# Altium PCB BaseBoard.PcbDoc (part 1 of 3) (continued)
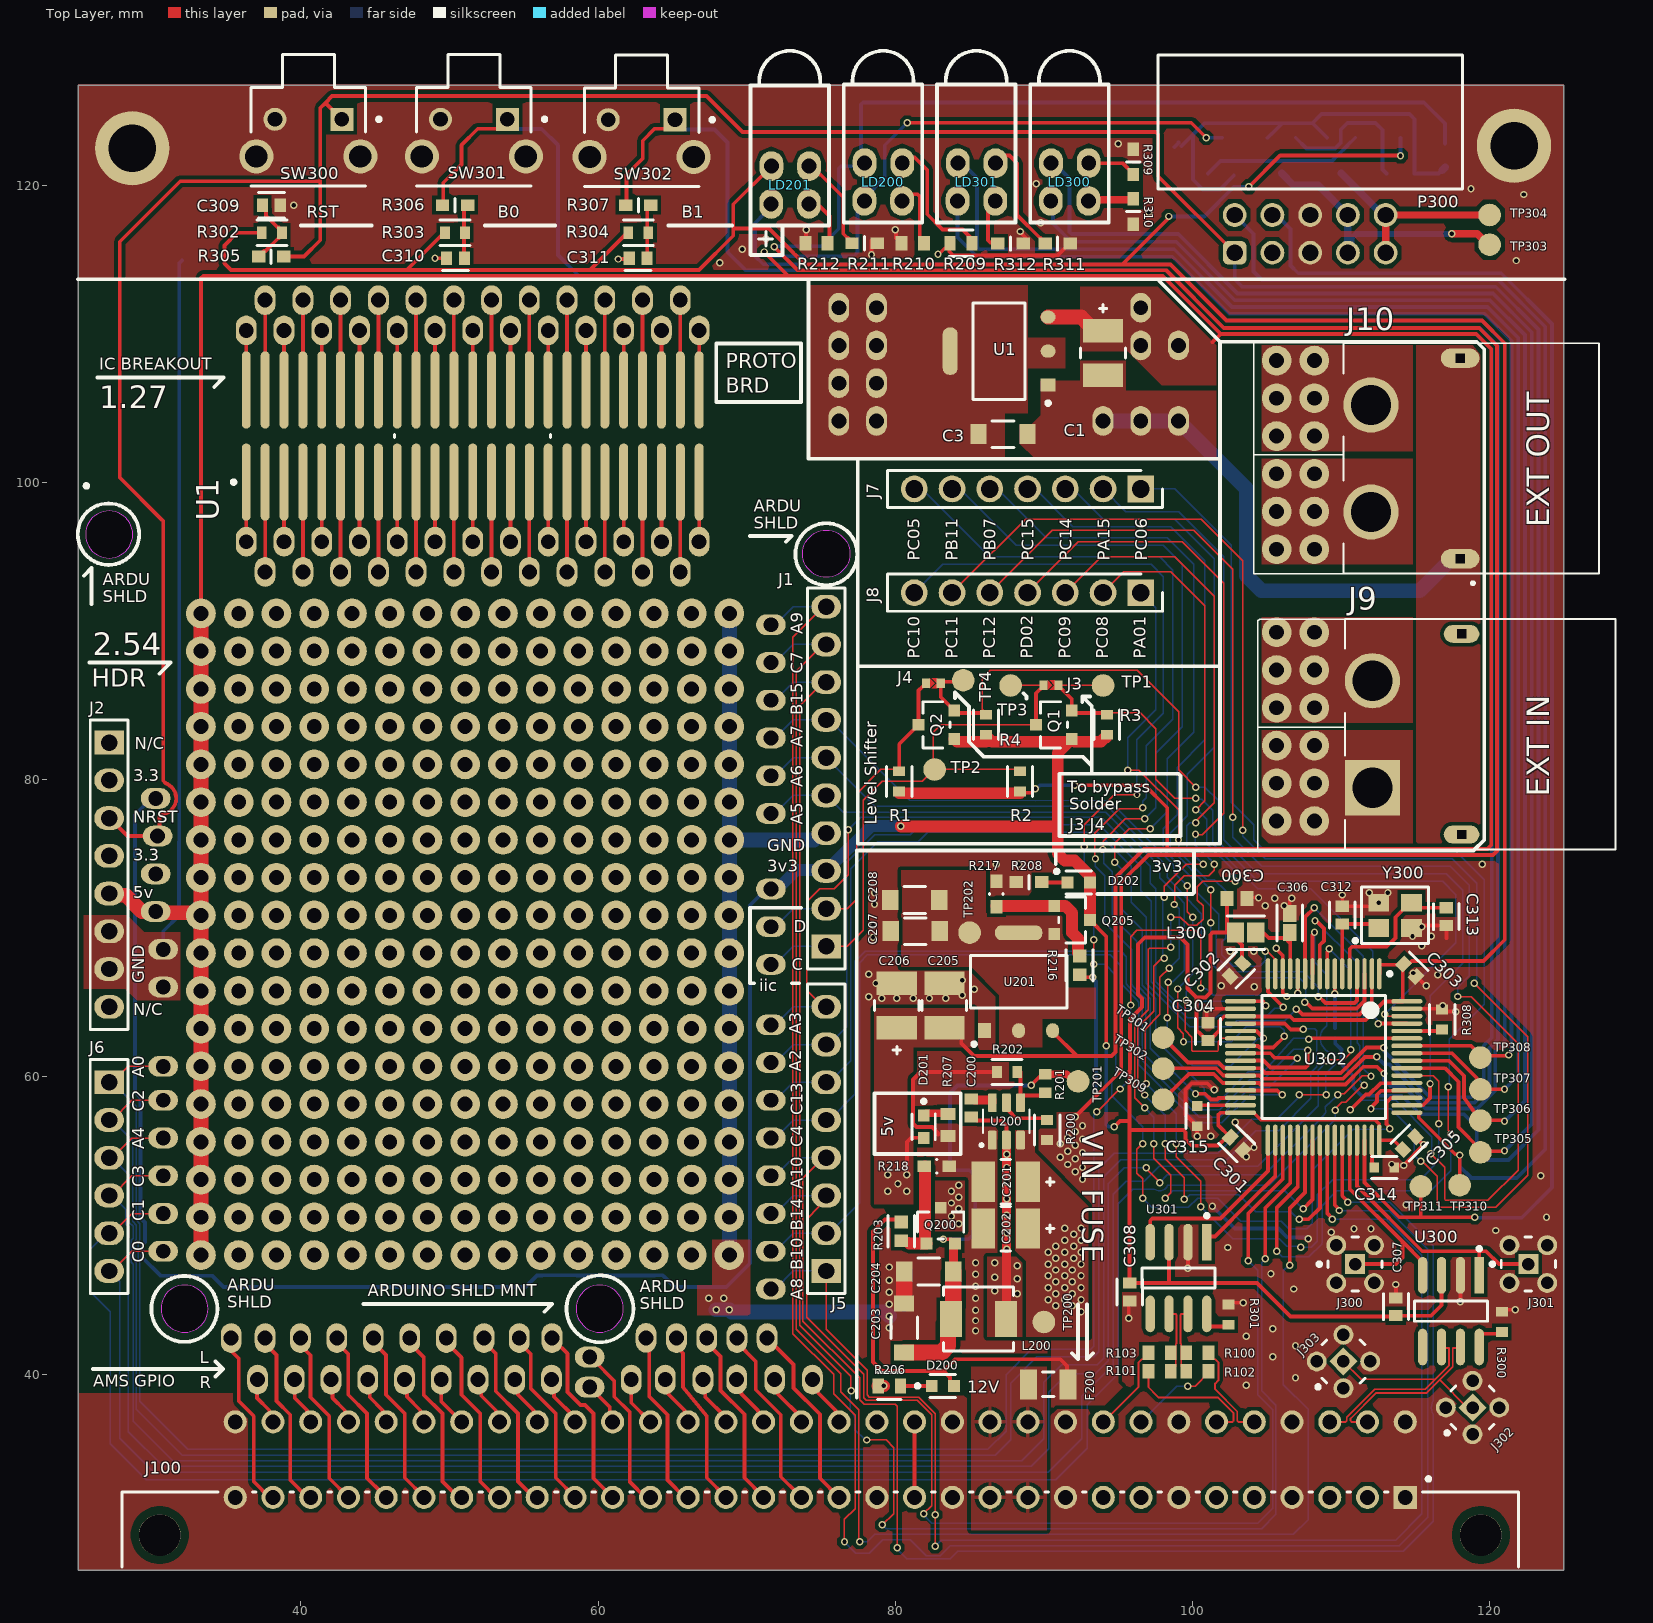
[diagram p0: Top Layer view]
## Components (designator, comment, footprint, x,y, rotation, side; value= is the part's Value field where it differs from the comment) (continued)
TP300 "TestPoint" TestPoint 109.605,62.593 r270 bottom
TP301 "TestPoint" TestPoint 98.026,62.636 r270 top
TP302 "TestPoint" TestPoint 98.026,60.551 r180 top
TP303 "TestPoint" TestPoint 120,116 r90 top
TP304 "TestPoint" TestPoint 120,118 r90 top
TP305 "TestPoint" TestPoint 119.372,54.921 r270 top
TP306 "TestPoint" TestPoint 119.372,57.052 r270 top
TP307 "TestPoint" TestPoint 119.372,59.153 r270 top
TP308 "TestPoint" TestPoint 119.372,61.295 r270 top
TP309 "TestPoint" TestPoint 98.026,58.465 r270 top
TP310 "TestPoint" TestPoint 117.983,52.705 r90 top
TP311 "TestPoint" TestPoint 115.367,52.629 r90 top
U1 "Prototype area" SOP127P1030X265-50N 51.562,103.124 r90 top locked
U1 "AMS1117-3.3" FP-AMS1117-IPC_C 86.988,108.839 r180 top
U200 "TPS563201DDCT" SOT95P280X110-6N 87.477,57.001 r90 top
U201 "AMS1117-3.3" FP-AMS1117-IPC_C 88.3,66.4 r90 top
U300 "SN65HVD230DR" FP-D0008A-IPC_A 117.395,44.23 r270 top
U301 "SN65HVD230DR" FP-D0008A-IPC_A 99.06,46.457 r270 top
U302 "STM32F405RGT6" STM-LQFP64_M 108.827,61.334 r270 top
Y300 "8MHz" FP-7M-MFG 113.631,70.869 r0 top

## Footprints (in the part's own frame and the unit in brackets; to place one, negate y for a bottom-side part, rotate by r counter-clockwise, add the part's x,y. Pads: shape width x height; smd on the part's side, far side on the other; paste and mask are expansions set on the pad)
61201021721 [mm] "10 pins, right angled, gold plating"
  rrect50% 1.6x1.6 hole 1.1: 1(5.08,8.805)
  round 1.6 hole 1.1: 2(5.08,6.265) 3(2.54,8.805) 4(2.54,6.265) 5(0,8.805) 6(0,6.265) 7(-2.54,8.805) 8(-2.54,6.265) 9(-5.08,8.805) 10(-5.08,6.265)
  silkscreen extent -10.26,-4.5 10.26,4.5, body extent -10.18,-4.42 10.18,9.13, height 9.23
AMASS_XT60PW-F [mm]
  round 3.716 hole 2.7: 1(-3.6,0) 2(3.6,0)
  oval 1.3x2.6 hole 0.6 square: S1(-6.75,-6) S2(6.75,-6)
  silkscreen extent -8.5,-15.35 7.75,1.85, body extent -7.75,-15.35 7.75,1.85, height 8.4
AMASS_XT60PW-M [mm]
  rect 3.716x3.716 / inner round 3.716 / far side rect 3.716x3.716 hole 2.7: 1(3.6,-6)
  round 3.716 hole 2.7: 2(-3.6,-6)
  oval 1.2x2.4 hole 0.6 square: S1(6.75,0) S2(-6.75,0)
  silkscreen extent -7.75,-7.85 7.75,10.35, body extent -7.75,-7.85 7.75,10.35, height 8.4
AO-SOT-23-3L_V [mm] "SOT23, 3-Leads, Body 3.1x1.8mm, Pitch 0.95mm"
  rect 0.8x0.8 smd: 1(-1.2,0.95) 2(-1.2,-0.95) 3(1.2,0)
  silkscreen extent -1.32,-1.55 0.9,2.02, body extent -1.5,-1.55 1.5,1.55, height 1.25
CAPC1608X87X35NL15T15 [mm] "Chip Capacitor, 2-Leads, Body 1.60x0.80mm, IPC Medium Density"
  rect 0.9x1 smd: 1(-0.675,0) 2(0.675,0)
  body extent -0.87,-0.48 0.87,0.47, height 0.87
FEMALE_HEADER_10 [mm]
  rect 2x1.6 hole 1.1: 1(0,0)
  oval 2x1.6 hole 1.1: 2(0,-2.54) 3(0,-5.08) 4(0,-7.62) 5(0,-10.16) 6(0,-12.7) 7(0,-15.24) 8(0,-17.78) 9(0,-20.32) 10(0,-22.86)
  silkscreen extent -1.27,-24.13 1.27,1.52, body extent -1.25,-24.33 1.25,1.47, height 8.31
FP-7M-MFG [mm]
  rect 1.4x1.2 smd paste+0 mask+0: 1(-1.1,-0.85) 2(1.1,-0.85) 3(1.1,0.85) 4(-1.1,0.85)
  silkscreen extent -2.8,-1.9 2.25,1.9, body extent -1.9,-1.55 1.9,1.55, height 0.25
FP-09_03_164_6921-MFG [mm]
  rect 1.55x1.55 hole 1 paste-2539.97 mask+0: A1(39.37,6.14)
  round 1.55 hole 1 paste-2539.97 mask+0: A2(36.83,6.14) A3(34.29,6.14) A4(31.75,6.14) A5(29.21,6.14) A6(26.67,6.14) A7(24.13,6.14) A8(21.59,6.14) A9(19.05,6.14) A10(16.51,6.14) A11(13.97,6.14) A12(11.43,6.14) A13(8.89,6.14) A14(6.35,6.14) A15(3.81,6.14) A16(1.27,6.14) A17(-1.27,6.14) A18(-3.81,6.14) A19(-6.35,6.14) A20(-8.89,6.14) A21(-11.43,6.14) A22(-13.97,6.14) A23(-16.51,6.14) A24(-19.05,6.14) A25(-21.59,6.14) A26(-24.13,6.14) A27(-26.67,6.14) A28(-29.21,6.14) A29(-31.75,6.14) A30(-34.29,6.14) A31(-36.83,6.14) A32(-39.37,6.14) C1(39.37,11.22) C2(36.83,11.22) C3(34.29,11.22) C4(31.75,11.22) C5(29.21,11.22) C6(26.67,11.22) C7(24.13,11.22) C8(21.59,11.22) C9(19.05,11.22) C10(16.51,11.22) C11(13.97,11.22) C12(11.43,11.22) C13(8.89,11.22) C14(6.35,11.22) C15(3.81,11.22) C16(1.27,11.22) C17(-1.27,11.22) C18(-3.81,11.22) C19(-6.35,11.22) C20(-8.89,11.22) C21(-11.43,11.22) C22(-13.97,11.22) C23(-16.51,11.22) C24(-19.05,11.22) C25(-21.59,11.22) C26(-24.13,11.22) C27(-26.67,11.22) C28(-29.21,11.22) C29(-31.75,11.22) C30(-34.29,11.22) C31(-36.83,11.22) C32(-39.37,11.22)
  round 2.8 hole 2.8 unplated paste-2539.97 mask+0: ""(-44.45,3.6) ""(44.45,3.6)
  silkscreen extent -47,1.45 47,7.5, body extent -47.1,-6.6 47.1,12.09, height 0.25
FP-403AG-MFG [mm]
  rect 1.96x3.39 smd paste+0 mask+0: 1(-3.405,0) 2(3.405,0)
  silkscreen extent -3.57,-3.13 3.57,3.13, body extent -3.98,-2.95 3.98,2.95, height 2.65
FP-0466-MFG [mil]
  rect 45x80 smd paste+0 mask+0: 1(-52.5,0) 2(52.5,0)
  silkscreen extent -15,-32 15,32, body extent -79,-44 79,44, height 10
FP-73415-1472-MFG [mm]
  rect 1.34x1.34 hole 0.84 paste-2539.97 mask+0: 1(0,0)
  round 1.34 hole 0.84 paste-2539.97 mask+0: 2(-1.27,1.27) 3(1.27,1.27) 4(-1.27,-1.27) 5(1.27,-1.27)
  silkscreen extent -2.54,-1.82 1.82,1.82, body extent -2.04,-2.04 2.04,2.04, height 0.25
FP-AMS1117-IPC_C [mm]
  rect 1.004x0.872 smd paste+0 mask+0: 1(-3.295,2.29)
  rrect100% 1.004x0.872 smd paste+0 mask+0: 2(-3.295,0) 3(-3.295,-2.29)
  rrect87% 1.004x3.182 smd paste+0 mask+0: 4(3.295,0)
  silkscreen extent -3.42,-3.25 1.75,3.62, body extent -3.9,-3.35 3.9,3.35, height 0.25
FP-B3F-3122-MFG [mm]
  rect 1.55x1.55 hole 1 paste-2539.97 mask+0: 1(-2.25,-0.075)
  round 1.55 hole 1 paste-2539.97 mask+0: 2(2.25,-0.075)
  round 2.3 hole 1.5 paste-2539.97 mask+0: 3(-3.5,2.425) 4(3.5,2.425)
  silkscreen extent -4.88,-4.43 3.85,4.43, body extent -4.75,-4.52 4.75,4.52, height 0.25
FP-C0603C-CF-MFG [mm]
  rect 0.75x0.9 smd paste+0 mask+0: 1(-0.6,0) 2(0.6,0)
  body extent -1.2,-0.6 1.2,0.6, height 0.25
FP-C1608-080-0_1-IPC_B [mm]
  rect 1.131x0.912 smd paste+0 mask+0: 1(-0.641,0) 2(0.641,0)
  silkscreen extent -1.21,-0.86 1.21,0.86, body extent -1.46,-0.71 1.46,0.71, height 0.25
FP-C3216-085-0_2-MFG [mm]
  rect 1.1x1.35 smd paste+0 mask+0: 1(-1.65,0) 2(1.65,0)
  silkscreen extent -0.72,-0.9 0.72,0.9, body extent -2.3,-1 2.3,1, height 0.25
FP-CRCW0603-e3-MFG [mm]
  rect 0.75x1 smd paste+0 mask+0: 1(-0.75,0) 2(0.75,0)
  silkscreen extent -0.8,-0.9 0.8,0.9, body extent -1.22,-0.6 1.22,0.6, height 0.25
FP-D0008A-IPC_A [mm]
  rect 2.469x0.622 smd paste+0 mask+0: 1(-2.414,1.905)
  rrect100% 2.469x0.622 smd paste+0 mask+0: 2(-2.414,0.635) 3(-2.414,-0.635) 4(-2.414,-1.905) 5(2.414,-1.905) 6(2.414,-0.635) 7(2.414,0.635) 8(2.414,1.905)
  silkscreen extent -4.32,-2.45 0.68,2.45, body extent -4.15,-2.95 4.15,2.95, height 0.25
FP-ERA3A-IPC_C [mm]
  rect 0.855x0.906 smd paste+0 mask+0: 1(-0.626,0) 2(0.626,0)
  silkscreen extent -1.05,-0.9 1.05,0.9, body extent -1.15,-0.6 1.15,0.6, height 0.25
FP-GRM188-0_1-e0_2_0_5-MFG [mm]
  rect 0.65x0.7 smd paste+0 mask+0: 1(-0.675,0) 2(0.675,0)
  silkscreen extent -0.85,-0.75 0.85,0.75, body extent -1.1,-0.55 1.1,0.55, height 0.25
FP-HSME-C191-MFG [mm]
  rect 0.8x0.8 smd paste+0 mask+0: 1(-0.75,0) 2(0.75,0)
  silkscreen extent -1.82,-0.77 0.85,0.77, body extent -1.25,-0.55 1.25,0.55, height 0.25
FP-LQM21DH_70-IPC_C [mm]
  rect 1.154x1.356 smd paste+0 mask+0: 1(-0.676,0) 2(0.676,0)
  silkscreen extent -1.25,-1.12 1.25,1.12, body extent -1.35,-0.82 1.35,0.82, height 0.25
FP-POSCAP-B2-MFG [mm]
  rect 1.6x2.7 smd paste+0 mask+0: 1(-1.5,0) 2(1.5,0)
  silkscreen extent -0.33,-1.5 3.25,1.5, body extent -2.4,-1.6 2.4,1.6, height 0.25
FP-RC0603-0_55-IPC_C [mm]
  rect 0.659x0.812 smd paste+0 mask+0: 1(-0.677,0) 2(0.677,0)
  silkscreen extent -1.01,-0.85 1.01,0.85, body extent -1.11,-0.55 1.11,0.55, height 0.25
FP-RC0603-0_55-MFG [mm]
  rect 0.9x0.8 smd paste+0 mask+0: 1(-0.85,0) 2(0.85,0)
  silkscreen extent -0.03,-0.45 0.03,0.45, body extent -0.8,-0.4 0.8,0.4, height 0.55
FP-SOT23-MFG [mm]
  rect 0.8x0.8 smd paste+0 mask+0: 1(-1.2,0.95) 2(-1.2,-0.95) 3(1.2,0)
  silkscreen extent -0.9,-1.55 0.9,1.55, body extent -1.7,-1.78 1.7,1.78, height 0.25
FP-SRP4020TA-MFG [mm]
  rect 1.5x2.4 smd paste+0 mask+0: 1(-1.85,0) 2(1.85,0)
  silkscreen extent -2.35,-2.15 2.35,2.15, body extent -2.7,-2.25 2.7,2.25, height 0.25
"HDR FEMALE 1~6 2.54MM" [mm]
  rect 2x1.6 hole 1.1: 1(0,0)
  oval 2x1.6 hole 1.1: 2(0,-2.54) 3(0,-5.08) 4(0,-7.62) 5(0,-10.16) 6(0,-12.7)
  silkscreen extent -1.27,-14.22 1.27,1.52, body extent -1.23,-14.22 1.27,1.42, height 8.66
"HDR FEMALE 1~8 2.54MM" [mm]
  rect 2x1.6 hole 1.1: 1(0,0)
  oval 2x1.6 hole 1.1: 2(0,-2.54) 3(0,-5.08) 4(0,-7.62) 5(0,-10.16) 6(0,-12.7) 7(0,-15.24) 8(0,-17.78)
  silkscreen extent -1.27,-19.3 1.27,1.52, body extent -1.23,-19.25 1.27,1.47, height 8.31
JUMPER [mm]
  rect 0.65x0.55 smd paste-2.54 mask-2.54: 1(0,-0.45) 2(0,0.55)
  Top Layer region: -0.325,-0.175 0.003,0.152 0.325,-0.175
  Top Layer region: -0.325,-0.041 0,0.284 0.325,-0.041 0.325,0.318 -0.325,0.317
LED_HOLDER#1 [mm]
  oval 1.6x2 hole 1: 1(-1.219,-0.014) 2(1.317,-0.014) 3(-1.236,-2.554) 4(1.3,-2.554)
  silkscreen extent -2.62,-4 2.66,7.55, body extent -2.12,-3.07 2.2,7.66, height 9.65
LED_HOLDER#2 [mm]
  oval 1.6x2 hole 1: 1(-1.219,-0.217) 2(1.317,-0.217) 3(-1.236,-2.757) 4(1.3,-2.757)
  silkscreen extent -2.62,-4.2 2.66,7.55, body extent -2.12,-3.07 2.2,7.66, height 9.65
RESC1608X55X25ML10T15 [mm] "Chip Resistor, 2-Leads, Body 1.60x0.80mm, IPC Low Density"
  rect 0.8x1 smd: 1(-0.75,0) 2(0.75,0)
  body extent -0.85,-0.45 0.85,0.45, height 0.55
RESC1608X55X30LL15T15 [mm] "Chip Resistor, 2-Leads, Body 1.60x0.80mm, IPC High Density"
  rect 0.7x0.85 smd: 1(-0.625,0) 2(0.625,0)
  body extent -0.87,-0.48 0.87,0.48, height 0.55
RHDR7W70P0X254_1X7_1818X250X865P [mm]
  rect 1.8x1.8 / inner round 1.8 / far side rect 1.8x1.8 hole 1.2: 1(0,0)
  round 1.8 hole 1.2: 2(2.54,0) 3(5.08,0) 4(7.62,0) 5(10.16,0) 6(12.7,0) 7(15.24,0)
  silkscreen extent -1.47,-1.25 17.06,1.25
SOP127P1030X265-50N [mm] "SOP, 50-Leads, Body 10.30x1.00mm, Pitch 1.27mm, IPC Medium Density"
  oval 5.2x0.6 smd: 1(-3.1,15.24) 2(-3.1,13.97) 3(-3.1,12.7) 4(-3.1,11.43) 5(-3.1,10.16) 6(-3.1,8.89) 7(-3.1,7.62) 8(-3.1,6.35) 9(-3.1,5.08) 10(-3.1,3.81) 11(-3.1,2.54) 12(-3.1,1.27) 13(-3.1,0) 14(-3.1,-1.27) 15(-3.1,-2.54) 16(-3.1,-3.81) 17(-3.1,-5.08) 18(-3.1,-6.35) 19(-3.1,-7.62) 20(-3.1,-8.89) 21(-3.1,-10.16) 22(-3.1,-11.43) 23(-3.1,-12.7) 24(-3.1,-13.97) 25(-3.1,-15.24) 26(3.1,-15.24) 27(3.1,-13.97) 28(3.1,-12.7) 29(3.1,-11.43) 30(3.1,-10.16) 31(3.1,-8.89) 32(3.1,-7.62) 33(3.1,-6.35) 34(3.1,-5.08) 35(3.1,-3.81) 36(3.1,-2.54) 37(3.1,-1.27) 38(3.1,0) 39(3.1,1.27) 40(3.1,2.54) 41(3.1,3.81) 42(3.1,5.08) 43(3.1,6.35) 44(3.1,7.62) 45(3.1,8.89) 46(3.1,10.16) 47(3.1,11.43) 48(3.1,12.7) 49(3.1,13.97) 50(3.1,15.24)
  silkscreen extent -3.22,-5.25 0.1,16.21, body extent -0.5,-15.75 0.5,15.62, height 2.65
SOT95P280X110-6N [mm]
  rrect25% 1.25x0.59 smd: 1(-1.255,0.95) 2(-1.255,0) 3(-1.255,-0.95) 4(1.255,-0.95) 5(1.255,0) 6(1.255,0.95)
  silkscreen extent -1.7,-1.57 0.8,1.78, body extent -1.4,-1.45 1.4,1.45, height 1.1
STM-LQFP64_M [mm] "Thin QFP, 64-Leads, Body 10x10mm, Pitch 0.5mm, IPC Low Density"
  oval 2.1x0.3 smd: 1(-5.6,3.75) 2(-5.6,3.25) 3(-5.6,2.75) 4(-5.6,2.25) 5(-5.6,1.75) 6(-5.6,1.25) 7(-5.6,0.75) 8(-5.6,0.25) 9(-5.6,-0.25) 10(-5.6,-0.75) 11(-5.6,-1.25) 12(-5.6,-1.75) 13(-5.6,-2.25) 14(-5.6,-2.75) 15(-5.6,-3.25) 16(-5.6,-3.75) 33(5.6,-3.75) 34(5.6,-3.25) 35(5.6,-2.75) 36(5.6,-2.25) 37(5.6,-1.75) 38(5.6,-1.25) 39(5.6,-0.75) 40(5.6,-0.25) 41(5.6,0.25) 42(5.6,0.75) 43(5.6,1.25) 44(5.6,1.75) 45(5.6,2.25) 46(5.6,2.75) 47(5.6,3.25) 48(5.6,3.75)
  oval 0.3x2.1 smd: 17(-3.75,-5.6) 18(-3.25,-5.6) 19(-2.75,-5.6) 20(-2.25,-5.6) 21(-1.75,-5.6) 22(-1.25,-5.6) 23(-0.75,-5.6) 24(-0.25,-5.6) 25(0.25,-5.6) 26(0.75,-5.6) 27(1.25,-5.6) 28(1.75,-5.6) 29(2.25,-5.6) 30(2.75,-5.6) 31(3.25,-5.6) 32(3.75,-5.6) 49(3.75,5.6) 50(3.25,5.6) 51(2.75,5.6) 52(2.25,5.6) 53(1.75,5.6) 54(1.25,5.6) 55(0.75,5.6) 56(0.25,5.6) 57(-0.25,5.6) 58(-0.75,5.6) 59(-1.25,5.6) 60(-1.75,5.6) 61(-2.25,5.6) 62(-2.75,5.6) 63(-3.25,5.6) 64(-3.75,5.6)
  silkscreen extent -5.72,-4.15 4.15,4.58, body extent -5,-5 5,5, height 1.6
TestPoint [mil]
  round 60 smd: 1(0,0)

## Part data
C1: library part CMP-05428-001070-1, "Molded Tantalum Polymer Capacitor 10uF 20% 16V life 2000Hours SMD 1411", Capacitance=10uF, Case Code (Imperial)=1210, Case Code (Metric)=3528, Case/Package=1411, ESR (Equivalent Series Resistance)=100mR, Leakage Current=48uA, Max Operating Temperature=105°C, Min Operating Temperature=-55°C, Package Quantity=2000, Ripple Current=800mA, Tolerance=20%, Voltage=16V, Construction=Flat, Depth=2.8mm, Dissipation Factor=10%, Features="General Purpose", Height=1.9mm, Height - Seated (Max)=0.083inch, Lead Free="Lead Free", Length=3.5mm, Life (Hours)=2000Hour, Mount="Surface Mount", Number of Pins=2, Packaging="Tape and Reel", Polarity=Polar, Radiation Hardening=No, REACH SVHC="No SVHC", RoHS Compliant=Yes, Series="POSCAP™ TQC", Termination=SMD/SMT, Voltage Rating=16V, Voltage Rating (DC)=16V, Width=2.8mm
C3 C203 C204 C207 C208: library part CMP-08246-004858-1, "Multilayer Ceramic Capacitors 22μF ±20% 6.3V X5R SMD 1206", Capacitance=22uF, Case Code (Imperial)=1206, Case Code (Metric)=3216, Dielectric=X5R, Dielectric Material=Ceramic, Max Operating Temperature=85°C, Min Operating Temperature=-55°C, Package Quantity=1, Tolerance=20%, Voltage Rating=6.3V, Case/Package=1206, Depth=1.6mm, Height=0.85mm, Lead Free="Lead Free", Length=0.126inch, Mount="Surface Mount", Number of Pins=2, Packaging="Cut Tape", REACH SVHC="No SVHC", Resistor Type=Ceramic, RoHS Compliant=Yes, Series=C, Termination=SMD/SMT, Thickness=0.037inch, Voltage Rating (DC)=6.3V, Weight=0.000571oz, Width=0.063inch
C200 C301 C302 C303 C304 C305 C307 C308 C309 C310 C311: library part CMP-2006-03061-2, "CAP CER 0.1UF 50V X7R 0603", Capacitance="0.10 μF", Manufacturer=KEMET, Manufacturer Part Number=C0603C104K5RACTU, Package=C0603C-CF, Temperature="-55°C to +125°C", Temperature Characteristic=X7R, Temperature Coefficient=30ppm/°C, Temperature Range High=+125°C, Temperature Range Low=-55°C, Tolerance=0.1, Voltage Rating="50 V", Automotive=Yes, Automotive Grade="Grade 1", Category=Cap, ComponentLink2Description=Datasheet, ComponentLink2URL=https://api.kemet.com/component-edge/download/datasheet/C0603C100J5GACAUTO.pdf, Device Class L1="Passive Components", Device Class L2=Capacitors, Device Class L3="Ceramic Capacitors", Digikey Description="CAP CER 0.1UF 50V X7R 0603", Height=0.87mm, Lead Free=Yes, Material=Ceramic, Octopart=https://octopart.com/c0603c104k5ractu-kemet-139244, RoHS=TRUE
C201 C202 C205 C206: library part CMP-05428-001070-1, "Molded Tantalum Polymer Capacitor 10uF 20% 16V life 2000Hours SMD 1411", Case Code (Imperial)=1210, Case Code (Metric)=3528, Case/Package=1411, ESR (Equivalent Series Resistance)=100mR, Leakage Current=48uA, Max Operating Temperature=105°C, Min Operating Temperature=-55°C, Package Quantity=2000, Ripple Current=800mA, Tolerance=20%, Voltage=16V, Capacitance=10uF, Construction=Flat, Depth=2.8mm, Dissipation Factor=10%, Features="General Purpose", Height=1.9mm, Height - Seated (Max)=0.083inch, Lead Free="Lead Free", Length=3.5mm, Life (Hours)=2000Hour, Mount="Surface Mount", Number of Pins=2, Packaging="Tape and Reel", Polarity=Polar, Radiation Hardening=No, REACH SVHC="No SVHC", RoHS Compliant=Yes, Series="POSCAP™ TQC", Termination=SMD/SMT, Voltage Rating=16V, Voltage Rating (DC)=16V, Width=2.8mm
C300: library part CMP-2006-03238-1, Manufacturer=Kemet, Part Number=C0603C475K8PACTU
C306: library part CMP-2000-06025-2, "Multilayer Ceramic Capacitors 1μF ±10% 50V X5R SMD 0603", Case Code (Imperial)=0603, Case Code (Metric)=1608, Dielectric=X5R, Dielectric Material=Ceramic, Max Operating Temperature=85°C, Min Operating Temperature=-55°C, Package Quantity=1, Tolerance=10%, Voltage=50V, Capacitance=1uF, Case/Package=0603, Construction=Flat, Depth=0.8mm, Height=0.8mm, Lead Free="Lead Free", Length=1.6mm, Mount="Surface Mount", Number of Pins=2, Packaging="Tape and Reel", Radiation Hardening=No, REACH SVHC="No SVHC", Resistor Type=Ceramic, RoHS Compliant=Yes, Series=C, Termination=SMD/SMT, Thickness=0.035inch, Voltage Rating=50V, Voltage Rating (DC)=50V, Weight=7.1E-05oz, Width=0.031inch
C312 C313: library part CMP-1035-00783-3, "CAP CER 20PF 50V 5% NP0 0603", Capacitance="20 pF", Manufacturer=KEMET, Manufacturer Part Number=C0603C200J5GACTU, Package=C0603C-CF, Temperature="-55°C to +125°C", Temperature Characteristic=C0G, Temperature Coefficient=30ppm/°C, Temperature Range High=+125°C, Temperature Range Low=-55°C, Tolerance=0.05, Voltage Rating="50 V", Automotive=Yes, Automotive Grade="Grade 1", Category=Cap, ComponentLink2Description=Datasheet, ComponentLink2URL=https://api.kemet.com/component-edge/download/datasheet/C0603C100J5GACAUTO.pdf, Device Class L1="Passive Components", Device Class L2=Capacitors, Device Class L3="Ceramic Capacitors", Digikey Description="CAP CER 20PF 50V 5% NP0 0603", Height=0.87mm, Lead Free=Yes, Material=Ceramic, Mouser Description="Multilayer Ceramic Capacitors MLCC - SMD/SMT 50volts 20pF C0G 5%", Octopart=https://octopart.com/c0603c200j5gactu-kemet-9138585, RoHS=TRUE
C314 C315: library part CMP-2006-02836-2, "Chip Multilayer Ceramic Capacitors for General Purpose, 0603, 2.2uF, X7R, 15%, 10%, 10V", Capacitance=2.2uF, Case Code (Imperial)=0603, Case Code (Metric)=1608, Dielectric=X7R, Max Operating Temperature=125°C, Min Operating Temperature=-55°C, Package Quantity=1, Tolerance=10%, Voltage=10V, Case/Package=0603, Depth=0.8mm, Height=0.8mm, Lead Free="Lead Free", Length=1.6mm, Material=Ceramic, Mount="Surface Mount", Number of Pins=2, Packaging="Cut Tape", REACH SVHC="No SVHC", Termination=SMD/SMT, Thickness=0.035inch, Voltage Rating=10V, Voltage Rating (DC)=10V, Weight=7.1E-05oz, Width=0.031inch
D200 D201 D202: library part CMP-18399-000013-1, "LED GREEN DIFFUSED 0603 SMD", Colour=Green, Forward Current=20mA, Forward Voltage=2.1V, Manufacturer=Broadcom, Manufacturer Part Number=HSME-C191, Max Junction Temp=+95°C, Package=0, Power Dissipation=52mW, Reverse Voltage=5V, Temperature="-40°C to +85°C", Temperature Range High=+85°C, Temperature Range Low=-40°C, Automotive=No, Category=Diode, ComponentLink2Description=Datasheet, ComponentLink2URL=https://docs.broadcom.com/docs/AV02-0976EN, Device Class L1=Optoelectronics, Device Class L2=LEDs, Device Class L3=unset, Digikey Description="LED GREEN DIFFUSED 0603 SMD", Height=0.7mm, Lead Free=Yes, Led Orientation="Top View", Luminous Intensity=50mcd, Mouser Description="Standard LEDs - SMD AlInGaP Green", Octopart=https://octopart.com/hsme-c191-broadcom-71131261, Peak Emmision Wavelength=570nm, RoHS=TRUE, Viewing Angle=170°, Wavelength=572nm
D203: library part CMP-00278-84331622-1, "SS32 Rectifier Diode, Schottky, 1 Phase, 1 Element, 3A, 20V V(RRM), Silicon, DO-214AB", Average Rectified Current=3A, Case/Package=SMC, Forward Voltage=500mV, Manufacturer Lifecycle Status=ACTIVE, Max Forward Surge Current (Ifsm)=100A, Max Junction Temperature (Tj)=150°C, Max Power Dissipation=2.27W, Max Repetitive Reverse Voltage (Vrrm)=20V, Max Reverse Leakage Current=500µA, Min Operating Temperature=-55°C, Current Rating=3A, Element Configuration=Single, Forward Current=3A, Height=2.65mm, Lead Free="Lead Free", Length=7.15mm, Lifecycle Status=Production, Max Operating Temperature=150°C, Max Reverse Voltage (DC)=20V, Max Surge Current=100A, Mount="Surface Mount", NexarPartId=84331622, Number of Elements=1, Number of Pins=2, Number of Terminals=2, Output Current=3A, Packaging="Cut Tape", Peak Non-Repetitive Surge Current=100A, Peak Reverse Current=500µA, Polarity=Standard, Radiation Hardening=No, REACH SVHC="No SVHC", RoHS=Compliant, Schedule B="8541100080, 8541100080", Voltage Rating (DC)=20V, Weight=300mg, Width=6.25mm
F200: library part CMP-08605-000093-1, Case Code (Imperial)=1206, Case Code (Metric)=3216, Current Rating=750mA, DC Cold Resistance=111mR, Max Operating Temperature=90°C, Min Operating Temperature=-55°C, Package Quantity=5000, Resistance=220mR, Voltage Rating=63V, Approvals=UL, Body Material=Thermoplastic, Case/Package=1206, Depth=1.52mm, Fuse Current=750mA, Fuse Type="Board Mount (Cartridge Style Excluded)", Height=0.023inch, Lead Free="Lead Free", Length=3.18mm, Mount="Surface Mount", Number of Pins=2, Packaging="Tape and Reel", Radiation Hardening=No, RoHS Compliant=Yes, Series=466, Termination=SMD/SMT, Voltage Rating (AC)=63V, Voltage Rating (DC)=63V, Width=0.06inch, Working Voltage=63V
J1: library part M20-7821042, "2.54mm (0.1\") Pitch SIL Vertical Throughboard Socket Assembly, selective gold + tin, 10 contacts", Manufacturer_Name=Harwin, Mouser Part Number=855-M20-7821042, Datasheet Link=https://cdn.harwin.com/pdfs/M20-782.pdf, Geometry.Height=8.65mm, Manufacturer_Part_Number=M20-7821042, Mouser Price/Stock=https://www.mouser.co.uk/ProductDetail/Harwin/M20-7821042?qs=Jph8NoUxIfUg6RlpQXBvqA%3D%3D
J2 J5: library part M20-7820846, "Headers & Wire Housings 8 PIN SIL VERTICAL SOCKET TIN", Manufacturer_Name=Harwin, Mouser Part Number=855-M20-7820846, Datasheet Link=https://componentsearchengine.com/Datasheets/1/M20-7820846.pdf, Geometry.Height=8.65mm, Manufacturer_Part_Number=M20-7820846, Mouser Price/Stock=https://www.mouser.co.uk/ProductDetail/Harwin/M20-7820846?qs=WS5Jv%252B%252Bx1qVyh4iJa%252BIF%252BA%3D%3D
J3 J4: library part CMP-009-00061-2, Pins=2
J6: library part M20-7820642, "HARWIN - M20-7820642 - Board-To-Board Connector, 2.54 mm, 6 Contacts, Receptacle, M20 Series, Through Hole, 1 Rows", Manufacturer_Name=Harwin, Mouser Part Number=855-M20-7820642, Datasheet Link=https://cdn.harwin.com/pdfs/M20-782.pdf, Geometry.Height=8.65mm, Manufacturer_Part_Number=M20-7820642, Mouser Price/Stock=https://www.mouser.co.uk/ProductDetail/Harwin/M20-7820642?qs=WS5Jv%252B%252Bx1qVj9bOS6VTo9g%3D%3D
J7 J8: "Headers & Wire Housings 7 PIN SIL VERTICAL SOCKET GOLD+TIN", Manufacturer_Name=Harwin, Mouser Part Number=855-M20-7820742, Datasheet Link=https://cdn.harwin.com/pdfs/M20-782.pdf, Geometry.Height=8.65mm, Manufacturer_Part_Number=M20-7820742, Mouser Price/Stock=https://www.mouser.co.uk/ProductDetail/Harwin/M20-7820742?qs=vF78I%252BjhbY%252BKj4l6HUOnzg%3D%3D
J9: library part CMP-002-00072-1, "Socket, DC supply, male, PIN: 2", Case/Package=Package, Availability="Not in stock", Check_prices=https://www.snapeda.com/parts/XT60PW-M/AMASS/view-part/?ref=eda, Component Type=Standard, Design Item ID=XT60PW-M, MF=AMASS, MP=XT60PW-M, Pins=2, Price=None, SnapEDA_Link=https://www.snapeda.com/parts/XT60PW-M/AMASS/view-part/?ref=snap, Source=XT60PW-M.SchLib
J10: library part CMP-002-00073-1, "Socket DC Supply Connector Female", Case/Package=Package, Availability="Not in stock", Check_prices=https://www.snapeda.com/parts/XT60PW-F/AMASS/view-part/?ref=eda, Component Type=Standard, Design Item ID=XT60PW-F, MF=AMASS, MP=XT60PW-F, Pins=4, Price=None, SnapEDA_Link=https://www.snapeda.com/parts/XT60PW-F/AMASS/view-part/?ref=snap, Source=XT60PW-F.SchLib
J100: library part CMP-33111-000001-1, "CONN DIN HDR 96POS PCB RA", Current Rating=2A, Manufacturer=Harting, Package=0, Temperature="-55°C to +125°C", Temperature Range High=+125°C, Temperature Range Low=-55°C, Automotive=No, Category=Conn, ComponentLink2Description=Datasheet, ComponentLink2URL=https://b2b.harting.com/files/download/PRD/PDF_DS/09031200203_100580339DRW000B.pdf, Conn Gender=Male, Conn Orientation="Right Angle", Contact Material=Gold,Nickel, Device Class L1=Connectors, Device Class L2="Backplane Connectors", Device Class L3=unset, Digikey Description="CONN DIN HDR 96POS PCB RA", Footprint Url=https://b2b.harting.com/files/download/PRD/PDF_TS/0903164X921_100072506DRW176A.pdf, Height=11mm, Lead Free=Yes, Manufacturer Part Number="09 03 164 6921", Mouser Description="Conn DIN 41612 M 64 POS 2.54mm Solder RA Thru-Hole Box", Number of Contacts=64, Number of Rows=2, Octopart=https://octopart.com/09031646921-harting+elektronik-42933, Pitch=2.54mm, RoHS=TRUE
J300 J301 J302 J303: library part CMP-00257-24916978-1, "73415-1472 50 Ohms, MMCX Vertical Jack, PCB, Brass and Gold Per Commercial Requirements, One Piece Per Bag", Dielectric Material=Teflon, Frequency=6GHz, Manufacturer Lifecycle Status=ACTIVE, Max Operating Temperature=165°C, Min Operating Temperature=-55°C, Resistance=50Ω, Voltage Rating=170V, Contact Material=Gold, Country of Origin=TW, Halogen Free="Low Halogen", Height=4.55mm, Impedance=50Ω, Lifecycle Status=Production, Mount="Through Hole", NexarPartId=24916978, Number of Contacts=1, Orientation=Straight, Packaging=Bulk, RoHS=Non-Compliant
L200: library part CMP-07248-000008-1, "MDA4020-3R3M / 3.3uH ±20% 3.1A 65mΩ SMD,4.1x4.5mm Inductors (SMD) ROHS", Inductance=3.3uH, Manufacturer=Bourns, Manufacturer Part Number=SRP4020TA-3R3M, Package=SRP4020TA, Rms Current=3.5A, Saturation Current=4A, Self Resonant Frequency=40MHz, Series Resistance=76mΩ, Temperature="-40°C to +150°C", Temperature Range High=+150°C, Temperature Range Low=-40°C, Test Frequency=100kHz, Tolerance=20%, Automotive=Yes, Automotive Grade="Grade 0", Category=Ind, ComponentLink2Description=Datasheet, ComponentLink2URL=https://www.bourns.com/docs/Product-Datasheets/SRP4020TA.pdf, Composition=Wirewound, Core Material="Carbonyl Powder", Device Class L1="Passive Components", Device Class L2=Inductors, Device Class L3="Fixed Inductors", Digikey Description="FIXED IND 3.3UH 3.5A 76 MOHM SMD", Height=2.1mm, Lead Free=Yes, Mouser Description="Ind Power Shielded Wirewound 3.3uH 20% 100KHz Carbonyl Powder 3.5A T/R", Octopart=https://octopart.com/srp4020ta-3r3m-bourns-47300338, Q Factor=10, RoHS=TRUE, Shielding=true
L300: library part CMP-06042-016801-1, "Multilayer Type Inductor for General Circuits, 0805 (2012), 22μH, 30%, 0.65Ω, 13mA", Case Code (Imperial)=0805, Case Code (Metric)=2012, Current Rating=30mA, DC Resistance (DCR)=1R, Inductance=4.7uH, Inductance Tolerance=10%, Max Operating Temperature=85°C, Min Operating Temperature=-40°C, Package Quantity=1, Self Resonant Frequency=47MHz, Test Frequency=10MHz, Case/Package=0805, Core Material=Ferrite, DC Current=30mA, Depth=1.45mm, Height=0.85mm, Lead Free="Lead Free", Length=2mm, Max DC Current=30mA, Military Standard=Not, Mount="Surface Mount", Packaging="Tape and Reel", Q Factor=45, Radiation Hardening=No, Rated Current-Max=30mA, REACH SVHC="No SVHC", Series=LQM21N, Shielding=Shielded, Termination=SMD/SMT, Tolerance=10%, Width=1.25mm
LD200 LD201 LD300 LD301: library part DoubleStack_Side_Led_3mm
P300: library part CMP-1502-00021-2, Color=Black, Contact Resistance=20mΩ, Current Rating=3A, Flammability Rating="UL94 V-0", Insulation Resistance=1GΩ, Max Operating Temperature=105°C, Min Operating Temperature=-40°C, Operating Supply Voltage=250V, Connector Type="Male Pin", Contact Gender=Male, Contact Material=Copper, Contact Plating=Gold, Gender=Male, Height=8.85mm, Housing Material=PBT, Insulation=Insulated, Insulation Material=PBT, Lead Pitch=2.54mm, Length=20.36mm, Mount="Through Hole", NexarPartId=8917787, Number of Contacts=10, Number of Pins=10, Number of Positions=10, Number of Rows=2, Orientation="Right Angle", Pitch=2.54mm, REACH SVHC=Unknown, RoHS=Compliant, Row Spacing=2.54mm, Termination="Through Hole", Voltage Rating=250V, Voltage Rating (DC)=250V, Width=20.36mm
Q1 Q2 Q200 Q205: library part CMP-83955-000006-1, "MOSFET N-CH 30V 5.7A SOT23", Case/Package=SOT-23, Continuous Drain Current (ID)=5.7A, Drain to Source Voltage (Vdss)=30V, Gate to Source Voltage (Vgs)=12V, Input Capacitance=630pF, Max Operating Temperature=150°C, Max Power Dissipation=1.4W, Min Operating Temperature=-55°C, Lead Free="Lead Free", Mount="Surface Mount", Number of Elements=1, Number of Pins=3, Packaging="Tape and Reel", Power Dissipation=1.4W, Radiation Hardening=No, Rds On Max=26.5mR
Q201 Q202 Q203 Q204: library part CMP-2000-05778-1, "P-Channel MOSFET, 30 V, 4 A, -55 to 150 degC, 3-Pin SOT-23-3L, RoHS, Tape and Reel", Continuous Drain Current=4A, Drain-Source On-Volt=30V, Frequency (Max)=NotRequiredMHz, Gate-Source Voltage (Max)=?12V, Manufacturer="Alpha and Omega", Operating Temp Range=-55Cto150C, Operating Temperature Classification=Military, Output Power (Max)=NotRequiredW, Package Description="3-Pin Small Outline Transistor, Body 2.95 x 1.6 mm, Pitch 0.95 mm", Package Reference=SOT-23-3L, Package Type=SOT-23, Power Dissipation=1.4W, Power Gain=NotRequireddB, Channel Mode=Enhancement, Datasheet URL=http://www.aosmd.com/res/data_sheets/AO3401A.pdf, Datasheet Version="Rev. 3, 03/2011", Drain Current (Max)=4A, Drain Efficiency=NotRequired%, Drain-Source On-Res=0.044ohm, Manufacturer URL=http://www.aosmd.com/, Mounting=SurfaceMount, Mounting Technology=SurfaceMount, Noise Figure=NotRequireddB, Number of  Elements=1, Package URL=http://www.aosmd.com/res/packaging_information/SOT-23-3L.pdf, Pin Count=3, Polarity=P, Rad Hardened=No, Type=PowerMOSFET
R1 R2 R3 R4 R200 R202 R300 R301 R302 R303 R304 R308: library part CMP-2100-03664-2, "RES 10K OHM 1% 1/10W 0603", Case Code (Imperial)=0603, Case Code (Metric)=1608, Max Operating Temperature=155°C, Max Power Dissipation=100mW, Min Operating Temperature=-55°C, Resistance=10kR, Resistance Tolerance=1%, Resistor Type="Thick Film", Temperature Coefficient=100ppm/°C, Voltage Rating=75V, Voltage Rating (DC)=50V, Case/Package=0603, Construction=Rectangular, Depth=0.8mm, Features="Moisture Resistant", Height=0.45mm, Lead Free="Lead Free", Lead Pitch=0.3mm, Length=1.6mm, Military Standard=Not, Number of Pins=2, Number of Terminations=2, Packaging="Tape and Reel", Power Rating=100mW, RoHS Compliant=Yes, Series=RC, Size Code=0603, Termination=SMD/SMT, Tolerance=1%, Weight=7.1E-05oz, Width=0.8mm
R100 R101 R102 R103: library part CMP-2100-03667-1, "Chip Resistor, 0 Ohm, +/- 5%, 0.1 W, -55 to 155 degC, 0603 (1608 Metric), RoHS, Tape and Reel", Case Code (Imperial)=0603, Case Code (Metric)=1608, Manufacturer=Yageo, Max Operating Temperature=155degC, Min Operating Temperature=-55degC, Package Description="2-Pin Surface Mount Device, Body 1.6 x 0.8 mm", Package Quantity=5000, Power Rating=100mW, Resistance=0mOhm, Temperature Coefficient=200ppm/degreesC, Tolerance=5%, Voltage Rating=50V, Case/Package=0603, Composition=ThickFilm, Contact Plating=Tin, Datasheet URL=http://www.yageo.com/NewPortal/yageodocoutput?fileName=/pdf/R-Chip/PYu-RC_Group_51_RoHS_L_5.pdf, Datasheet Version="Rev. 5, 10/2016", Depth=0.8mm, Height=0.45mm, Lead Free=LeadFree, Length=1.6mm, Manufacturer URL=http://www.yageo.com/, Military Standard=Not, Number of Pins=2, Package Reference=0603, Packaging=TapeandReel, Radiation Hardening=No, REACH SVHC=NoSVHC, RoHSCompliant=true, Termination=SMD/SMT, Voltage Rating (DC)=50V, Width=0.8mm
R201: library part CMP-2000-00561-1, Manufacturer=Panasonic, Part Number=ERJ-3EKF5492V
R203 R216: library part CMP-2000-00873-2, "RES SMD 1K OHM 0.1% 1/10W 0603", Case Code (Imperial)=0603, Case Code (Metric)=1608, Max Operating Temperature=155°C, Max Power Dissipation=100mW, Min Operating Temperature=-55°C, Package Quantity=5000, Resistance=1kR, Resistance Tolerance=0.1%, Resistor Type="Thin Film", Temperature Coefficient=25ppm/°C, Voltage Rating=75V, Case/Package=0603, Construction=Rectangular, Contact Plating=Tin, Depth=0.8mm, Height=0.45mm, Length=1.6mm, Military Standard=Not, Mount="Surface Mount", Number of Pins=2, Number of Terminations=2, Packaging="Tape and Reel", Power Rating=100mW, Radiation Hardening=No, REACH SVHC="No SVHC", RoHS Compliant=Yes, Series=ERA-3A, Size Code=0603, Technology="METAL FILM", Termination=SMD/SMT, Tolerance=0.1%, Width=0.8mm
R204 R205 R217 R218: library part CMP-2100-03662-2, "RES SMD 100K OHM 1% 1/10W 0603", Case Code (Imperial)=0603, Case Code (Metric)=1608, Max Operating Temperature=155°C, Max Power Dissipation=100mW, Min Operating Temperature=-55°C, Resistance=100kR, Resistance Tolerance=1%, Resistor Type="Thick Film", Temperature Coefficient=100ppm/°C, Voltage Rating=50V, Working Voltage=75V, Case/Package=0603, Construction=Rectangular, Depth=0.8mm, Features="Moisture Resistant", Height=0.45mm, Lead Free="Lead Free", Length=1.6mm, Military Standard=Not, Number of Pins=2, Number of Terminations=2, Packaging="Tape and Reel", Power Rating=100mW, REACH SVHC="No SVHC", RoHS Compliant=Yes, Series=RC, Technology="THICK FILM", Termination=SMD/SMT, Tolerance=1%, Voltage Rating (DC)=50V, Width=0.8mm
R206 R209: library part CMP-2000-03529-2, "RES Thick Film, 680Ω, 1%, 0.1W, 100ppm/°C, 0603", Case Code (Imperial)=0603, Case Code (Metric)=1608, Max Operating Temperature=155°C, Max Power Dissipation=100mW, Min Operating Temperature=-55°C, Package Quantity=10, Temperature Coefficient=100ppm/°C, Tolerance=1%, Voltage Rating=75V, Case/Package=0603, Composition="Thick Film", Contact Plating=Tin, Depth=0.85mm, Features="Automotive AEC-Q200", Height=0.45mm, Lead Free="Lead Free", Length=1.55mm, Military Standard=Not, Number of Pins=2, Number of Terminations=2, Packaging="Tape and Reel", Power Rating=100mW, Radiation Hardening=No, Resistance=680R, Termination=SMD/SMT, Voltage Rating (DC)=75V, Weight=7.1E-05oz, Width=0.85mm, Working Voltage=75V
R207 R210 R212: library part CMP-1659-00018-2, "General Purpose Chip Resistors, 220 Ohm, +/- 1%, -55 to 155 degC, 0603 (1608 Metric), RoHS, Tape and Reel", ComponentLink1Description="Manufacturer URL", ComponentLink1URL=http://www.yageo.com/, ComponentLink2Description=Datasheet, ComponentLink2URL=https://datasheet.ciiva.com/11808/0900766b80f96399-11808136.pdf, DatasheetVersion="Rev. 4, 04/2009", PackageDescription="2-Pin Surface Mount Device, Body 1.6 x 0.8 mm", PackageReference=0603, RoHSCompliant=false
R208 R211 R305 R306 R307 R309 R310 R311 R312: library part CMP-2100-03663-2, Case Code (Imperial)=0603, Max Operating Temperature=155°C, Min Operating Temperature=-55°C, Power Rating=100mW, Resistance=100Ω, Temperature Coefficient=100ppm/°C, Tolerance=1%, Voltage Rating=50V, Case Code (Metric)=0603, Case/Package=0603, Composition="Thick Film", Depth=800µm, Height=450µm, Lead Free="Lead Free", Length=1.6mm, Military Standard=Not, NexarPartId=55402879, Number of Pins=2, Packaging="Tape & Reel", REACH SVHC=Unknown, RoHS=Compliant, Schedule B="8533210045, 8533210045", Termination=SMD/SMT, Voltage Rating (DC)=50V, Width=800µm
SW300 SW301 SW302: library part CMP-08834-000053-1, "SWITCH TACTILE SPST-NO 0.05A 24V", Actuator Color=Grey, Contact Current Rating=50mA, Contact Resistance=100mR, Max Operating Temperature=70°C, Max Voltage Rating (DC)=24V, Min Operating Temperature=-25°C, Operating Force=1.47N, Package Quantity=1000, Ratings=IP00, Actuator Length=1.6mm, Actuator Type=Standard, Contact Material=Gold, Contact Plating=Gold, Current Rating=50mA, Depth=7.85mm, Electrical Life=300000Cycles, Height=7.4mm, Illumination Type=Non-Illuminated, Lead Free="Lead Free", Length=7.3mm, Max Current Rating=50mA, Mechanical Life=300000Cycles, Mount="Through Hole", Number of Poles=1, Orientation="Right Angle", Packaging=Bulk, Radiation Hardening=No, RoHS Compliant=Yes, Series=B3F, Switch Function=Off-Mom, Switch Travel=0.25mm, Termination="PC Pins", Throw Configuration=SPST, Voltage Rating (DC)=24V, Weight=0.25g, Width=6.25mm
U1: library part CMP-029-000000-1, Design Item ID=Component_1, Source=MEGA_IC.SchLib
U1 U201: library part CMP-209535-000001-1, "LDO Voltage Regulators 1A, 3.3V", Dropout Voltage=1.1V, Manufacturer="Advanced Monolithic Systems", Max Junction Temp=+125°C, Max Power Dissipation=1.2W, Max Supply Voltage=15V, Nominal Supply Current=5mA, Output Current=1A, Output Voltage=3.3V, Package=AMS1117, Temperature="-40°C to +125°C", Temperature Range Low=-40°C, Automotive=No, Category=IC, ComponentLink2Description=Datasheet, ComponentLink2URL=http://www.advanced-monolithic.com/pdf/ds1117.pdf, Device Class L1="Integrated Circuits (ICs)", Device Class L2="Power Management ICs", Device Class L3="Voltage Regulators - Linear", Height=1.8mm, Ipc Land Pattern Name=SOT229P700X180-4, Lead Free=Yes, Manufacturer Part Number=AMS1117-3.3, Number Of Outputs=1, Octopart=https://octopart.com/ams1117-3.3-advanced+monolithic+systems-25899300, Output Type=Fixed, RoHS=TRUE, Standoff Height=0.64mm, Temperature Range High=+125°C
U200: library part CMP-007-000000-1, Package=None, Availability=Unavailable, Component Type=Standard, Design Item ID=TPS563201DDCT, MP=TPS563201DDCT, Pin Count=6, Price=None, Source=TPS563201DDCT.SchLib
U300 U301: library part CMP-0315-00015-3, "IC TRANSCEIVER HALF 1/1 8SOIC", Case/Package=D, Max Operating Temperature=85°C, Max Supply Current=17mA, Max Supply Voltage=3.6V, Min Operating Temperature=-40°C, Min Supply Voltage=3V, Operating Supply Voltage=3.3V, Package Quantity=1, Contact Plating=Gold, Data Rate=1Mbps, Lead Free="Lead Free", Nominal Supply Current=17mA, Number of Drivers=1, Number of I/Os=2, Number of Pins=8, Number of Receive Buffers=1, Number of Receivers=1, Number of Transceivers=1, Number of Transmit Buffers=1, Packaging="Tape and Reel", Radiation Hardening=No, REACH SVHC="No SVHC", Termination=SMD/SMT, Weight=0.002561oz
U302: library part CMP-0243-00019-3, "ARM Cortex-M4 32-bit MCU+FPU, 210 DMIPS, 1024 kB Flash, 192 kB Internal RAM, 51 I/Os, 64-pin LQFP, -40 to 85 degC, Tray", I/Os (High Current)=51, Manufacturer=STMicroelectronics, Operating Frequency(F) (Processor speed) (MHz)=168, Supply Voltage(Vcc) max (V)=3.6, Supply Voltage(Vcc) min (V)=1.8, ComponentLink1Description="Manufacturer URL", ComponentLink1URL=http://www.st.com/web/en/home.html, ComponentLink2Description=Datasheet, ComponentLink2URL=http://www.st.com/st-web-ui/static/active/en/resource/technical/document/datasheet/DM00037051.pdf, ComponentLink3Description="Package Specification", ComponentLink3URL=http://www.st.com/st-web-ui/static/active/en/resource/technical/document/datasheet/DM00037051.pdf, Core="ARM Cortex-M4", D/A Converter=2x12-bit, DatasheetVersion="Rev. 4", FLASH Size (Prog) (kB)=1024, Internal RAM Size (kB)=192, Mounting Technology="Surface Mount", PackageDescription="64-Pin Low Profile Quad Flat Package, 10 x 10 mm Body, 0.5 mm Pitch", PackageReference=LQFP64, PackageVersion="Rev. 4, 06/2013", Packing=Tray, PartNumber=STM32F405RGT6
Y300: library part CMP-18717-000311-1, "Crystal", Case/Package=SMD/SMT, ESR (Equivalent Series Resistance)=100R, Frequency=12MHz, Frequency Stability=10ppm, Load Capacitance=10pF, Max Operating Temperature=70°C, Min Operating Temperature=-20°C, Package Quantity=3000, Depth=2.5mm, Frequency Tolerance=10ppm, Height=0.031inch, Length=3.2mm, Mount="Surface Mount", Number of Pins=4, Packaging="Tape and Reel", REACH SVHC="No SVHC", RoHS Compliant=Yes, Series=7M, Termination=SMD/SMT, Tolerance=10ppm, Width=0.098inch

## Free pads (board coordinates)
  round 5 hole 3.2: 7(28.656,122.49) 7(121.64,122.667)
  round 2 hole 1: 200(33.274,48.006) 201(35.814,48.006) 202(38.354,48.006) 203(40.894,48.006) 204(43.434,48.006) 205(45.974,48.006) 206(48.514,48.006) 207(51.054,48.006) 208(53.594,48.006) 209(56.134,48.006) 210(58.674,48.006) 211(61.214,48.006) 212(63.754,48.006) 213(66.294,48.006) 214(68.834,48.006) 215(33.274,50.546) 216(35.814,50.546) 217(38.354,50.546) 218(40.894,50.546) 219(43.434,50.546) 220(45.974,50.546) 221(48.514,50.546) 222(51.054,50.546) 223(53.594,50.546) 224(56.134,50.546) 225(58.674,50.546) 226(61.214,50.546) 227(63.754,50.546) 228(66.294,50.546) 229(68.834,50.546) 230(33.274,53.086) 231(35.814,53.086) 232(38.354,53.086) 233(40.894,53.086) 234(43.434,53.086) 235(45.974,53.086) 236(48.514,53.086) 237(51.054,53.086) 238(53.594,53.086) 239(56.134,53.086) 240(58.674,53.086) 241(61.214,53.086) 242(63.754,53.086) 243(66.294,53.086) 244(68.834,53.086) 245(33.274,55.626) 246(35.814,55.626) 247(38.354,55.626) 248(40.894,55.626) 249(43.434,55.626) 250(45.974,55.626) 251(48.514,55.626) 252(51.054,55.626) 253(53.594,55.626) 254(56.134,55.626) 255(58.674,55.626) 256(61.214,55.626) 257(63.754,55.626) 258(66.294,55.626) 259(68.834,55.626) 260(33.274,58.166) 261(35.814,58.166) 263(38.354,58.166) 264(40.894,58.166) 265(43.434,58.166) 266(45.974,58.166) 267(48.514,58.166) 268(51.054,58.166) 269(53.594,58.166) 270(56.134,58.166) 271(58.674,58.166) 272(61.214,58.166) 273(63.754,58.166) 274(66.294,58.166) 275(68.834,58.166) 276(33.274,60.706) 277(35.814,60.706) 278(38.354,60.706) 279(40.894,60.706) 280(43.434,60.706) 281(45.974,60.706) 282(48.514,60.706) 283(51.054,60.706) 284(53.594,60.706) 285(56.134,60.706) 286(58.674,60.706) 287(61.214,60.706) 288(63.754,60.706) 289(66.294,60.706) 290(68.834,60.706) 291(33.274,63.246) 292(35.814,63.246) 293(38.354,63.246) 294(40.894,63.246) 295(43.434,63.246) 296(45.974,63.246) 297(48.514,63.246) 298(51.054,63.246) 299(53.594,63.246) 300(56.134,63.246) 301(58.674,63.246) 302(61.214,63.246) 303(63.754,63.246) 304(66.294,63.246) 305(68.834,63.246) 306(33.274,65.786) 307(35.814,65.786) 308(38.354,65.786) 309(40.894,65.786) 310(43.434,65.786) 311(45.974,65.786) 312(48.514,65.786) 313(51.054,65.786) 314(53.594,65.786) 315(56.134,65.786) 316(58.674,65.786) 317(61.214,65.786) 318(63.754,65.786) 319(66.294,65.786) 320(68.834,65.786) 321(33.274,68.326) 322(35.814,68.326) 323(38.354,68.326) 324(40.894,68.326) 325(43.434,68.326) 326(45.974,68.326) 327(48.514,68.326) 328(51.054,68.326) 329(53.594,68.326) 330(56.134,68.326) 331(58.674,68.326) 332(61.214,68.326) 333(63.754,68.326) 334(66.294,68.326) 335(68.834,68.326) 336(33.274,70.866) 337(35.814,70.866) 338(38.354,70.866) 339(40.894,70.866) 340(43.434,70.866) 341(45.974,70.866) 342(48.514,70.866) 343(51.054,70.866) 344(53.594,70.866) 345(56.134,70.866) 346(58.674,70.866) 347(61.214,70.866) 348(63.754,70.866) 349(66.294,70.866) 350(68.834,70.866) 351(33.274,73.406) 352(35.814,73.406) 353(38.354,73.406) 354(40.894,73.406) 355(43.434,73.406) 356(45.974,73.406) 357(48.514,73.406) 358(51.054,73.406) 359(53.594,73.406) 360(56.134,73.406) 361(58.674,73.406) 362(61.214,73.406) 363(63.754,73.406) 364(66.294,73.406) 365(68.834,73.406) 366(33.274,75.946) 367(35.814,75.946) 368(38.354,75.946) 369(40.894,75.946) 370(43.434,75.946) 371(45.974,75.946) 372(48.514,75.946) 373(51.054,75.946) 374(53.594,75.946) 375(56.134,75.946) 376(58.674,75.946) 377(61.214,75.946) 378(63.754,75.946) 379(66.294,75.946) 380(68.834,75.946) 381(33.274,78.486) 382(35.814,78.486) 383(38.354,78.486) 384(40.894,78.486) 385(43.434,78.486) 386(45.974,78.486) 387(48.514,78.486) 388(51.054,78.486) 389(53.594,78.486) 390(56.134,78.486) 391(58.674,78.486) 392(61.214,78.486) 393(63.754,78.486) 394(66.294,78.486) 395(68.834,78.486) 396(33.274,81.026) 397(35.814,81.026) 398(38.354,81.026) 399(40.894,81.026) 400(43.434,81.026) 401(45.974,81.026) 402(48.514,81.026) 403(51.054,81.026) 404(53.594,81.026) 405(56.134,81.026) 406(58.674,81.026) 407(61.214,81.026) 408(63.754,81.026) 409(66.294,81.026) 410(68.834,81.026) 411(33.274,83.566) 412(35.814,83.566) 413(38.354,83.566) 414(40.894,83.566) 415(43.434,83.566) 416(45.974,83.566) 417(48.514,83.566) 418(51.054,83.566) 419(53.594,83.566) 420(56.134,83.566) 421(58.674,83.566) 422(61.214,83.566) 423(63.754,83.566) 424(66.294,83.566) 425(68.834,83.566) 426(33.274,86.106) 427(35.814,86.106) 428(38.354,86.106) 429(40.894,86.106) 430(43.434,86.106) 431(45.974,86.106) 432(48.514,86.106) 433(51.054,86.106) 434(53.594,86.106) 435(56.134,86.106) 436(58.674,86.106) 437(61.214,86.106) 438(63.754,86.106) 439(66.294,86.106) 440(68.834,86.106) 441(33.274,88.646) 442(35.814,88.646) 443(38.354,88.646) 444(40.894,88.646) 445(43.434,88.646) 446(45.974,88.646) 447(48.514,88.646) 448(51.054,88.646) 449(53.594,88.646) 450(56.134,88.646) 451(58.674,88.646) 452(61.214,88.646) 453(63.754,88.646) 454(66.294,88.646) 455(68.834,88.646) 456(33.274,91.186) 457(35.814,91.186) 458(38.354,91.186) 459(40.894,91.186) 460(43.434,91.186) 461(45.974,91.186) 462(48.514,91.186) 463(51.054,91.186) 464(53.594,91.186) 465(56.134,91.186) 466(58.674,91.186) 467(61.214,91.186) 468(63.754,91.186) 469(66.294,91.186) 470(68.834,91.186) 522(108.204,108.204) 523(105.664,108.204) 524(105.664,105.664) 525(108.204,105.664) 526(108.204,103.124) 527(105.664,103.124) 528(108.204,100.584) 529(105.664,100.584) 530(105.664,98.044) 531(108.204,98.044) 532(108.204,95.504) 533(105.664,95.504) 534(108.204,89.916) 535(105.664,89.916) 536(105.664,87.376) 537(108.204,87.376) 538(108.204,84.836) 539(105.664,84.836) 540(108.204,82.296) 541(105.664,82.296) 542(105.664,79.756) 543(105.664,77.216) 544(108.204,77.216) 545(108.204,79.756)
  oval 1.4x2 hole 1: 493(37.084,39.624) 494(39.556,39.624) 495(35.306,42.418) 496(42.029,39.624) 497(37.592,42.418) 497(39.963,42.418) 499(44.501,39.624) 500(42.418,42.418) 501(46.973,39.624) 502(44.873,42.418) 503(49.445,39.624) 504(47.329,42.418) 505(51.918,39.624) 506(49.784,42.418) 507(54.39,39.624) 508(52.324,42.418) 509(56.862,39.624) 510(54.695,42.418) 512(56.896,42.418) 513(62.23,39.624) 515(64.516,39.624) 516(63.229,42.435) 517(67.056,39.624) 518(65.278,42.418) 547(67.31,42.418) 548(69.325,39.641) 549(69.342,42.418) 549(71.374,42.418) 550(71.882,39.624) 551(36.322,110.236) 552(37.592,112.268) 553(38.862,110.236) 554(40.132,112.268) 555(41.402,110.236) 556(42.672,112.268) 557(43.942,110.236) 558(45.212,112.268) 559(46.482,110.236) 560(47.752,112.268) 561(49.022,110.236) 562(50.292,112.268) 563(51.562,110.236) 564(52.832,112.268) 565(54.102,110.236) 566(55.372,112.268) 567(56.642,110.236) 568(57.912,112.268) 569(59.182,110.236) 570(60.452,112.268) 571(61.722,110.236) 572(62.992,112.268) 573(64.262,110.236) 574(65.532,112.268) 575(66.802,110.236) 576(36.322,96.012) 577(37.592,93.98) 578(38.862,96.012) 579(40.132,93.98) 580(41.402,96.012) 581(42.672,93.98) 582(43.942,96.012) 583(45.212,93.98) 584(46.482,96.012) 585(47.752,93.98) 586(49.022,96.012) 587(50.292,93.98) 588(51.562,96.012) 589(52.832,93.98) 590(54.102,96.012) 591(55.372,93.98) 592(56.642,96.012) 593(57.912,93.98) 594(59.182,96.012) 595(60.452,93.98) 596(61.722,96.012) 597(62.992,93.98) 598(64.262,96.012) 599(65.532,93.98) 600(66.802,96.012) 601(74.422,39.624) 631(96.52,109.22) 632(96.52,111.76) 633(99.06,109.22) 636(96.52,104.14) 637(93.98,104.14) 640(99.06,104.14) 641(76.2,109.22) 642(78.74,109.22) 643(78.74,106.68) 644(76.2,106.68) 645(76.2,104.14) 646(78.74,104.14) 648(76.2,111.76) 649(78.74,111.76)
  oval 2x1.4 hole 1: 511(59.436,39.116) 514(59.436,41.148) 602(71.628,90.424) 603(71.628,87.884) 604(71.628,85.344) 605(71.628,82.804) 606(71.628,80.264) 607(71.628,77.724) 608(71.628,72.644) 609(71.628,70.104) 610(71.628,67.564) 611(71.628,63.5) 612(71.628,60.96) 613(71.628,58.42) 614(71.628,55.88) 615(71.628,53.34) 616(71.628,50.8) 617(71.628,48.26) 618(71.628,45.72) 619(30.226,78.74) 620(30.353,76.2) 621(30.226,73.66) 622(30.226,71.12) 623(30.734,68.58) 624(30.734,66.04) 625(30.734,58.42) 626(30.734,55.88) 627(30.734,53.34) 628(30.734,50.8) 629(30.734,48.26) 630(30.734,60.706)

## Via types
v1: diameter 0.5, hole 0.3, Top Layer to Bottom Layer, tented both sides, 326 vias